# Altium PCB RGV_Control_1V21_unpoly.PcbDoc (part 5 of 5)
Units mm, origin at the board's own origin, x right, y up, seen from the top; angles counter-clockwise.
Board outline 221.11 x 150.42 mm, 4 copper layers (Top Layer, GND, Power, Bottom Layer), stack 1.56 mm thick; 530 components, 870 nets, 2373 pads, 590 vias.
Unrouted connection lines stored in the file: 760.
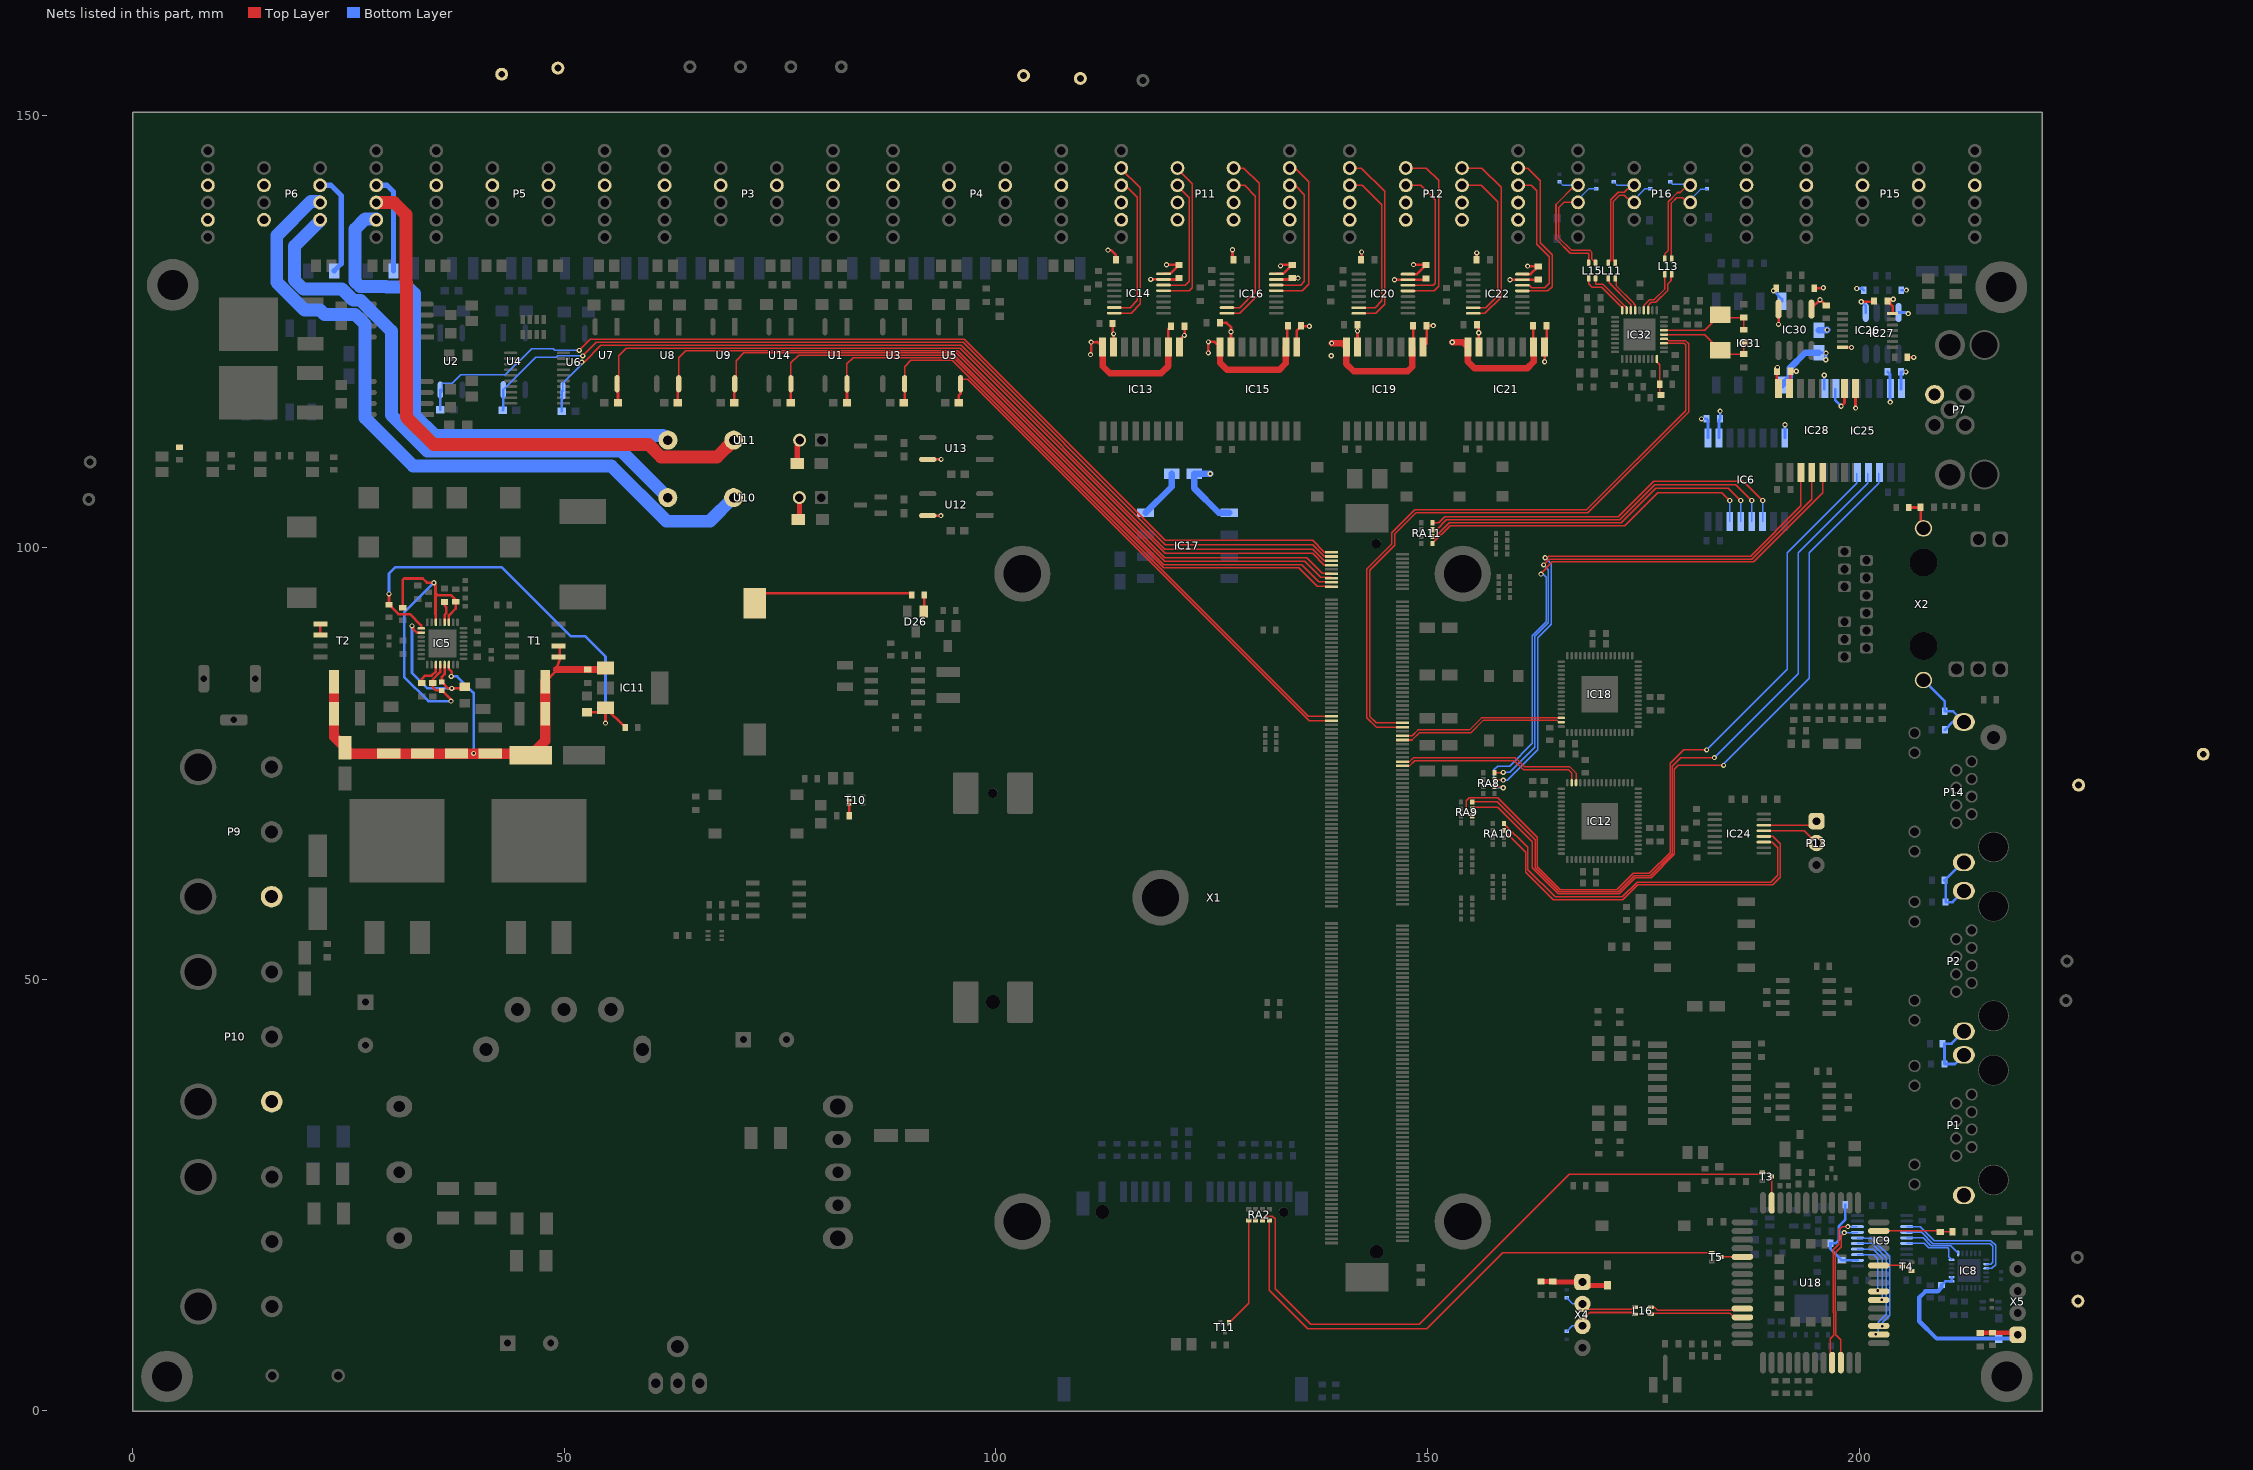
[diagram p7: the nets of this part, all layers, seen from the top]

## Via types
v1: diameter 0.6, hole 0.3, Top Layer to Bottom Layer, 533 vias
v2: diameter 0.5, hole 0.2, Top Layer to Bottom Layer, 32 vias
v3: diameter 0.6, hole 0.3, Top Layer to Bottom Layer, tented bottom, 25 vias

## Nets (pads, with @x,y where several pads share a name; then routed paths per layer and width w, separated by ;. In a path a pad name is that pad's centre, name@x,y a point inside that pad or via, vN(x,y) a via of type N, cw(c..) or ccw(c..) an arc to the next point about the centre after c; other vN are vias at no path point) (continued)
OUT_12V+: C59.2 C60.2 C61.2 C71.2 C72.2 C73.2 C81.2 C82.2 C83.2 D10.2 D11.2 FU1.2 IC5.22 IC11.1 L6.2 P3.3 P3.7 P3.11 P3.15 P4.3 P4.7 P4.11 P4.15 P5.3 P5.7 P5.11 P5.15 P6.3 P6.7 P6.9 P6.11 P6.13 P6.15 P7.2 P9.3 P10.3 P15.3 P15.7 P15.11 P15.15 P16.3 R49.1 R50.1 R81.1 T1.5 T1.6 T2.5 T2.6 TP3.1 U10.2 U11.2 U12.4 U13.4 | length 94.7
  Top Layer w0.3: T2.6@21.775,89.84 T2.5@21.775,91.11 ; IC5.22@36.655,86.425 36.655,85.918 37.008,85.566 v1@37.008,85.282 ; v1(36.926,85.065) 37.022,85.065 v1@37.033,85.054 ; C83.2@47.819,84.43 49.019,85.63 49.042,85.7 49.091,85.852 49.095,85.865 49.476,87.053 T1.6@49.476,88.57 ; U12.4@92.102,103.683 v1(93.625,103.683) ; U13.4@92.102,110.185 v1(93.65,110.185)
  Top Layer w0.6: D11.2@76.987,109.703 76.987,112.141 U11.2@77.267,112.42 ; D10.2@77.114,103.226 77.241,103.353 U10.2@77.241,105.766
  Top Layer w0.8: 49.091,85.852 49.104,85.865 C73.2@52.756,85.865 IC11.1@54.624,85.865
  Top Layer w1.2: C71.2@23.356,84.43 C72.2@23.356,80.747 23.356,78.078 L6.2@24.638,76.796 25.312,76.122 C81.2@29.682,76.122 C61.2@33.607,76.122 C60.2@37.531,76.122 C59.2@41.456,76.122 45.974,76.122 FU1.2@46.15,75.946 47.819,77.615 C82.2@47.819,80.747 C83.2@47.819,84.43 ; IC11.1@54.624,85.865 IC11.1@54.787,86.029
  Bottom Layer w0.3: v1(36.926,85.065) 37.617,85.065 39.522,83.16 v1(39.522,76.149)
  Bottom Layer w0.6: P6.7@21.75,141.929 23.021,141.929 24.2,140.75 24.2,132.85 R49.1@23.375,132.025 ; P6.3@28.25,141.929 29.496,141.929 30.25,141.175 R50.1@30.25,132.025
PMIC_EN: C76.2 IC5.9 IC11.3 R40.1 R84.2 TP1.1 | length 53.4
  Top Layer w0.3: v1(29.718,94.615) R40.1@29.718,93.359 30.799,92.278 32.156,92.278 33.455,90.979 IC5.9@33.455,90.625 ; C76.2@52.654,80.889 54.248,80.889 IC11.3@54.787,81.429 ; v1(54.787,79.655) IC11.3@54.787,81.429 ; R84.2@57.085,79.144 54.801,81.429 IC11.3@54.787,81.429
  Bottom Layer w0.3: v1(29.718,94.615) 29.718,96.952 30.48,97.714 42.748,97.714 50.749,89.713 52.426,89.713 54.787,87.351 v1(54.787,79.655)
PSM_EINT: T4.3 U18.37 | length 2.8
  Top Layer w0.15: U18.37@202.235,16.85 204.841,16.85 T4.3@204.969,16.721
PSM_EINT_2: RA2.7 T4.1
PWRKEY: T5.3 U18.5 | length 2.5
  Top Layer w0.15: T5.3@183.955,17.823 183.982,17.85 U18.5@186.435,17.85
PWRKEY_1: RA2.5 T5.1 | length 64.8
  Top Layer w0.15: RA2.5@131.675,22.05 131.675,13.975 136.125,9.525 149.873,9.525 158.671,18.323 T5.1@182.905,18.323
RDX_AUX: IC9.8 U18.24 | length 18.2
  Top Layer w0.15: U18.24@196.835,5.6 196.835,6.46 196.6,6.695 196.6,8.39 196.992,8.783 196.992,11.391 196.96,11.424 196.96,18.66 197.625,19.325 197.625,21 197.975,21.35 v1(198.65,21.35)
  Bottom Layer w0.15: v1(198.65,21.35) 198.657,21.343 IC9.8@199.766,21.343
RESET: T3.3 U18.53 | length 3
  Top Layer w0.15: T3.3@189.8,27.125 189.835,27.09 U18.53@189.835,24.1
RESET_MOCI: R87.1 T10.5 T10.6 | length 1.8
  Top Layer w0.3: R87.1@83.004,68.933 T10.6@83.005,70.237 T10.6@83.005,70.237 T10.5@83.005,70.737
RESET_NB_3: RA2.6 T3.1 | length 75.4
  Top Layer w0.15: RA2.6@130.875,22.05 130.875,22.3 131.125,22.55 132.019,22.55 132.319,22.25 132.319,14.181 136.45,10.05 149,10.05 166.382,27.432 188.557,27.432 T3.1@188.75,27.625
RF_ANT: C31.1 R59.1 U18.41 | length 8.6
  Top Layer w0.162: U18.41@202.235,20.85 209.249,20.85 C31.1@209.349,20.75 R59.1@210.775,20.75
RL11: P6.5 U10.4 | length 67.5
  Bottom Layer w1.5: P6.5@21.784,137.891 18.775,134.882 18.775,130.948 19.823,129.9 24.3,129.9 25.582,128.618 26.432,128.618 30,125.05 30,115.325 34.15,111.175 56.592,111.175 U10.4@62.001,105.766
RL12: P6.1 U11.4 | length 61.1
  Bottom Layer w1.5: P6.1@28.25,138.05 26.975,138.05 25.8,136.875 25.8,130.775 26.357,130.218 29.38,130.218 29.448,130.15 31.925,130.15 32.675,129.4 32.675,115.325 35.025,112.975 61.472,112.975 U11.4@62.027,112.42
RL21: P6.6 U10.3 | length 83.9
  Bottom Layer w1.5: P6.6@21.679,139.929 21.533,140.075 20.7,140.075 16.725,136.1 16.725,130.7 19.95,127.475 21.75,127.475 22.233,126.992 25.795,126.992 26.95,125.837 26.95,115 32.525,109.425 55.475,109.425 61.875,103.025 66.881,103.025 U10.3@69.621,105.766
RL22: P6.2 U11.3 | length 68.1
  Top Layer w1.5: P6.2@28.25,139.929 30.296,139.929 31.675,138.55 31.675,130.738 31.725,130.688 31.725,115.072 34.872,111.925 59.764,111.925 61.219,110.47 67.697,110.47 U11.3@69.647,112.42
RS232_5V_ISO: C89.2 C99.2 C102.1 C106.2 C110.1 C112.2 C122.2 C125.1 C129.2 IC13.10 IC13.16 IC14.16 IC15.10 IC15.16 IC16.16 IC17.5 IC19.10 IC19.16 IC20.16 IC21.10 IC21.16 IC22.16 P11.1 P11.5 P11.9 P11.13 P12.1 P12.5 P12.9 P12.13 TP1101.1 | length 92.4
  Top Layer w0.3: v1(110.95,122.325) 111.05,122.425 111.025,122.45 v1(111.025,123.775) 111.723,123.775 111.748,123.8 IC13.16@112.36,123.189 ; IC14.16@119.408,131.674 120.149,131.674 C89.2@121.2,132.725 v1(119.75,132.725) ; IC13.10@119.98,123.189 119.98,125.305 C99.2@120.3,125.625 ; v1@124.425,122.524 124.6,122.699 v1(124.6,123.8) 125.337,123.8 IC15.16@125.949,123.189 ; IC16.16@132.455,131.673 133.248,131.673 C102.1@134.3,132.725 133.025,132.725 132.9,132.6 v1(132.95,132.6) ; IC15.10@133.569,123.189 133.75,123.37 C106.2@133.75,125.419 ; IC20.16@147.715,131.648 148.755,131.648 C112.2@149.809,132.703 149.762,132.75 v1(148.35,132.75) ; IC19.10@148.199,123.189 148.323,123.313 C122.2@148.323,125.679 ; IC22.16@160.965,131.648 161.912,131.648 C125.1@162.814,132.55 162.789,132.575 v1(161.571,132.575) ; C129.2@162.217,125.679 162.217,123.242 IC21.10@162.271,123.189
  Top Layer w0.75: IC13.16@112.36,123.189 112.36,120.965 113.175,120.15 119.125,120.15 119.98,121.005 IC13.10@119.98,123.189 ; IC15.16@125.949,123.189 125.949,121.376 126.775,120.55 132.804,120.55 133.569,121.315 IC15.10@133.569,123.189 ; v1(138.875,123.65) 140.118,123.65 IC19.16@140.579,123.189 140.579,121.246 141.429,120.396 147.671,120.396 148.199,120.924 IC19.10@148.199,123.189 ; v1(152.85,123.76) 154.079,123.76 IC21.16@154.651,123.189 154.651,121.524 155.45,120.725 161.5,120.725 162.271,121.496 IC21.10@162.271,123.189
  Bottom Layer w0.75: v1(124.825,108.525) 124.823,108.527 C110.1@122.947,108.527 122.947,106.878 125.815,104.01 IC17.5@127.025,104.01
  other v1: 138.825,122.2 124.6,122.524
RS232_GND_ISO: C89.1 C99.1 C100.1 C101.1 C102.2 C106.1 C107.1 C108.1 C110.2 C112.1 C122.1 C123.1 C124.1 C125.2 C129.1 C130.1 C131.1 IC13.9 IC13.15 IC14.15 IC15.9 IC15.15 IC16.15 IC17.4 IC19.9 IC19.15 IC20.15 IC21.9 IC21.15 IC22.15 P11.2 P11.6 P11.10 P11.14 P12.2 P12.6 P12.10 P12.14 TP1102.1 | length 49.3
  Top Layer w0.3: v1(112.975,134.425) 113.325,134.425 113.9,133.85 C100.1@113.9,133.2 ; C101.1@113.525,125.925 113.525,124.825 v1(113.63,124.72) IC13.15@113.63,123.189 ; v1(117.925,131.025) 119.406,131.025 IC14.15@119.408,131.024 121.049,131.024 C89.1@121.2,131.175 ; IC13.9@121.25,123.189 121.25,124.025 121.85,124.625 C99.1@121.85,125.625 ; C108.1@125.943,126.009 126.716,126.009 127.219,125.506 v1(127.219,124.969) IC15.15@127.219,123.189 ; C107.1@127.4,133.425 v1(127.4,134.475) ; IC16.15@132.455,131.023 134.148,131.023 C102.2@134.3,131.175 v1(134.98,131.175) ; IC15.9@134.839,123.189 134.839,125.089 C106.1@135.35,125.6 ; C106.1@135.475,125.6 v1(136.3,125.6) ; IC19.15@141.849,123.189 141.872,123.212 v1(141.872,125.053) C124.1@141.872,125.781 ; C123.1@142.075,133.225 142.35,133.5 v1(142.35,134.2) ; v1(146.15,130.998) IC20.15@147.715,130.998 149.655,130.998 C112.1@149.809,131.153 ; IC19.9@149.469,123.189 149.873,123.593 C122.1@149.873,125.679 v1(150.65,125.679) ; C130.1@155.675,133.125 C130.1@155.675,133.325 v1(155.675,134.1) ; C131.1@155.69,125.781 155.921,125.55 v1(155.921,124.85) IC21.15@155.921,123.189 ; v1(159.525,131) 160.963,131 IC22.15@160.965,130.998 162.812,130.998 C125.2@162.814,131 ; v1(163.541,121.504) IC21.9@163.541,123.189 163.767,123.415 C129.1@163.767,125.679
  Bottom Layer w0.75: IC17.4@117.325,104.01 120.347,107.032 C110.2@120.347,108.527
  other v1: 121.825,124.55
RS232_Rx_1: IC14.13 P11.12 | length 18.1
  Top Layer w0.15: IC14.13@119.408,129.724 122.399,129.724 122.725,130.05 122.725,142.118 P11.12@120.914,143.929
RS232_Rx_2: IC14.8 P11.16 | length 20.2
  Top Layer w0.15: IC14.8@113.708,127.124 115.649,127.124 116.725,128.2 116.725,141.618 P11.16@114.414,143.929
RS232_Rx_3: IC16.13 P11.4 | length 18.9
  Top Layer w0.15: IC16.13@132.455,129.723 135.498,129.723 136.225,130.45 136.225,142.35 134.646,143.929 P11.4@133.914,143.929
RS232_Rx_4: IC16.8 P11.8 | length 21.2
  Top Layer w0.15: IC16.8@126.755,127.123 128.248,127.123 130.475,129.35 130.475,142.159 128.704,143.929 P11.8@127.414,143.929
RS232_Rx_5: IC20.13 P12.12 | length 20.7
  Top Layer w0.15: P12.12@147.249,143.929 149.846,143.929 151.275,142.5 151.275,130.225 150.748,129.698 IC20.13@147.715,129.698
RS232_Rx_6: IC20.8 P12.16 | length 21.9
  Top Layer w0.15: P12.16@140.749,143.929 142.321,143.929 145.025,141.225 145.025,128.125 143.998,127.098 IC20.8@142.015,127.098
RS232_Rx_7: IC22.13 P12.4 | length 19.9
  Top Layer w0.15: P12.4@160.249,143.929 161.571,143.929 163.05,142.45 163.05,135.25 164.425,133.875 164.425,130.2 163.923,129.698 IC22.13@160.965,129.698
RS232_Rx_8: IC22.8 P12.8 | length 22.4
  Top Layer w0.15: P12.8@153.749,143.929 156.271,143.929 158.5,141.7 158.5,128.975 156.623,127.098 IC22.8@155.265,127.098
RS232_Rx_DEBUG: IC24.13 P13.2 | length 6.7
  Top Layer w0.15: IC24.13@188.93,67.178 193.604,67.178 P13.2@195.021,65.761
RS232_Tx_1: IC14.14 P11.11 | length 14.9
  Top Layer w0.15: IC14.14@119.408,130.374 121.924,130.374 122.375,130.825 122.375,140.468 P11.11@120.914,141.929
RS232_Tx_2: IC14.7 P11.15 | length 17.5
  Top Layer w0.15: IC14.7@113.708,127.774 115.549,127.774 116.375,128.6 116.375,140.52 114.965,141.929 P11.15@114.414,141.929
RS232_Tx_3: IC16.14 P11.3 | length 15.7
  Top Layer w0.15: IC16.14@132.455,130.373 135.273,130.373 135.725,130.825 135.725,140.85 134.646,141.929 P11.3@133.914,141.929
RS232_Tx_4: IC16.7 P11.7 | length 18.3
  Top Layer w0.15: IC16.7@126.755,127.773 128.223,127.773 130.05,129.6 130.05,140.675 128.796,141.929 P11.7@127.414,141.929
RS232_Tx_5: IC20.14 P12.11 | length 17.2
  Top Layer w0.15: P12.11@147.249,141.929 149.196,141.929 150.85,140.275 150.85,130.578 150.62,130.348 IC20.14@147.715,130.348
RS232_Tx_6: IC20.7 P12.15 | length 19
  Top Layer w0.15: P12.15@140.749,141.929 142.446,141.929 144.7,139.675 144.7,128.55 143.898,127.748 IC20.7@142.015,127.748
RS232_Tx_7: IC22.14 P12.3 | length 17.4
  Top Layer w0.15: P12.3@160.249,141.929 161.971,141.929 162.625,141.275 162.625,135.125 164.1,133.65 164.1,130.6 163.55,130.05 162.073,130.05 161.775,130.348 IC22.14@160.965,130.348
RS232_Tx_8: IC22.7 P12.7 | length 19.5
  Top Layer w0.15: P12.7@153.749,141.929 156.196,141.929 158.125,140 158.125,129.125 156.748,127.748 IC22.7@155.265,127.748
RS232_Tx_DEBUG: IC24.14 P13.1 | length 6.3
  Top Layer w0.15: IC24.14@188.93,67.828 P13.1@194.548,67.828
  Top Layer w0.3: P13.1@194.548,67.828 P13.1@195.021,68.301
RS485_3.3V_ISO: C23.2 C143.2 C145.1 C147.2 C168.2 IC6.1 IC25.10 IC25.16 IC26.14 IC27.8 IC28.10 IC28.16 IC30.8 IC31.5 R116.1 R120.1 TP701.1 | length 27.4
  Top Layer w0.3: C147.2@190.436,120.396 190.436,118.614 190.65,118.4 190.642,118.392 IC28.16@190.642,118.388 ; v1(190.625,125.825) 190.627,125.827 IC30.8@190.627,127.597 ; R120.1@194.781,130.023 195.79,130.023 v1(195.825,130.057) ; v1(197.875,116.35) 198.262,116.737 IC28.10@198.262,118.388 ; IC26.14@203.839,127.07 203.839,127.936 C168.2@203.25,128.525 203.7,128.525 v1(203.9,128.725) ; v1@205.645,127.07 v1(205.65,127.075)
  Bottom Layer w0.3: v1(181.7,114.875) 181.709,114.884 C23.2@182.308,114.884 182.458,114.734 IC6.1@182.458,112.673 ; C145.1@195.301,122.525 196.1,122.525 v1(196.125,122.5) 196.125,121.75 v1(196.1,121.725) ; IC25.10@197.18,118.288 197.18,117.045 v1(197.875,116.35) ; v1(199.675,129.975) 200.299,129.975 R116.1@200.48,129.794 ; IC27.8@204.535,127.2 205.525,127.2 v1(205.65,127.075) ; IC25.16@204.8,118.288 204.8,120.307 C143.2@204.813,120.32 205.37,120.32 v1(205.375,120.325)
  Bottom Layer w0.75: IC31.5@191.033,118.797 191.908,119.672 191.908,120.067 191.9,120.075 191.9,120.717 193.708,122.525 C145.1@195.301,122.525
  other v1: 190.5,120.84
RS485_GND_ISO: C23.1 C143.1 C145.2 C147.1 C168.1 IC6.2 IC6.8 IC25.9 IC25.15 IC26.7 IC27.5 IC28.9 IC28.15 IC30.5 IC31.4 R113.2 R114.2 R117.2 R118.2 TP702.1 | length 25.9
  Top Layer w0.3: v1(190.025,129.723) 190.324,130.023 R118.2@190.373,130.023 ; IC28.15@191.912,118.388 191.986,118.462 C147.1@191.986,120.396 v1(192.675,120.396) ; IC30.5@194.437,127.597 194.437,127.702 195.4,128.665 v1(195.425,128.665) 195.503,128.665 R113.2@196.164,128.004 ; IC26.7@198.039,123.17 199.055,123.17 v1(199.075,123.15) ; IC28.9@199.532,118.388 199.532,116.145 v1(199.552,116.125) ; v1(200.2,128.45) 201.625,128.45 C168.1@201.7,128.525 ; R117.2@205.55,122 v1(206.275,122)
  Bottom Layer w0.3: IC6.2@183.728,112.673 183.728,114.754 C23.1@183.858,114.884 v1(183.858,115.775) ; v1(190.025,129.723) 191.033,128.715 IC31.4@191.033,128.497 ; IC6.8@191.348,112.673 191.375,112.7 v1(191.375,114.2) ; IC25.9@195.91,118.288 195.91,119.91 v1(195.925,119.925) ; v1(200.2,128.45) 200.725,127.925 IC27.5@200.725,127.2 ; C143.1@203.263,120.32 203.53,120.053 203.53,116.845 v1(203.55,116.825) ; R114.2@204.828,129.794 v1(205.425,129.794)
  Bottom Layer w0.75: C145.2@195.301,125.125 196.2,125.125 v1(196.25,125.175)
RUN: RA2.8 T11.1 | length 12.8
  Top Layer w0.15: T11.1@127.017,10.214 129.275,12.472 RA2.8@129.275,22.05
RXD: IC9.4 U18.33 | length 8.2
  Bottom Layer w0.15: IC9.4@199.766,18.743 201.607,18.743 202.65,17.7 202.65,12.95 v1(202.575,12.875)
RXD_DBG: IC9.6 U18.30 | length 13.1
  Bottom Layer w0.15: IC9.6@199.766,20.043 199.794,20.015 201.373,20.015 203.5,17.888 203.5,11.1 202.625,10.225 v1(202.625,9.8)
SHIELD: C165.2 C169.2 C170.2 C171.2 P1.S1 P1.S2 P2.S1 P2.S2 P14.S1 P14.S2 R134.2 R141.2 R142.2 R143.2 X2.S1 X2.S2 | length 30.1
  Top Layer w0.3: R134.2@205.703,104.623 207.061,104.623 C165.2@207.073,104.635 207.073,102.544 X2.S1@207.407,102.21
  Bottom Layer w0.3: X2.S2@207.407,84.633 209.887,82.153 R141.2@209.887,81.025 210.846,81.025 P14.S1@212.09,79.781 210.781,79.781 C169.2@209.875,78.875 ; P1.S1@212.09,41.224 211.049,40.183 C170.2@209.842,40.183 209.842,42.534 210.656,42.534 P2.S2@212.09,43.967 ; P2.S1@212.09,60.223 210.795,58.928 C171.2@209.969,58.928 209.969,61.315 R143.2@209.843,61.442 211.927,63.525 P14.S2@212.09,63.525
TDX_AUX: IC9.7 U18.25 | length 17.3
  Top Layer w0.15: U18.25@197.835,5.6 197.835,8.262 197.242,8.854 197.242,11.495 197.21,11.527 197.21,18.335 197.875,19 197.875,20.3 v1(198.225,20.65)
  Bottom Layer w0.15: v1(198.225,20.65) 199.723,20.65 IC9.7@199.766,20.693
TXD: IC9.3 U18.34 | length 6.2
  Bottom Layer w0.15: IC9.3@199.766,18.093 201.673,18.093 202.135,17.631 202.135,13.96 v1(202.125,13.95)
TXD_DBG: IC9.5 U18.29 | length 13.4
  Bottom Layer w0.15: IC9.5@199.766,19.393 201.432,19.393 203.075,17.75 203.075,11.225 202.15,10.3 202.15,9.125 v1(201.9,8.875)
UART0_RX_BC20: IC8.12 IC9.16 | length 6.5
  Bottom Layer w0.15: IC9.16@205.466,19.393 207.507,19.393 208.025,18.875 210.2,18.875 210.35,18.725 210.35,17.83 IC8.12@210.674,17.506
UART0_TX_BC20: IC8.13 IC9.15 | length 6.7
  Bottom Layer w0.15: IC9.15@205.466,20.043 207.357,20.043 208.275,19.125 210.555,19.125 IC8.13@211.424,18.256
UART1_RTS: IC28.3 RA8.6 | length 65.9
  Top Layer w0.15: RA8.6@157.725,73.1 158.706,73.1 v1(158.75,73.056) ; v1(163.6,98.8) 163.6,98.575 164.025,99 187.4,99 193.202,104.802 IC28.3@193.202,108.688
  Bottom Layer w0.15: v1(158.75,73.056) 159.206,73.056 162.725,76.575 162.725,89.529 164.3,91.104 164.3,98.1 v1(163.6,98.8)
UART1_RX_BC20: IC8.20 IC9.14 | length 13.3
  Bottom Layer w0.15: IC9.14@205.466,20.693 207.182,20.693 208.5,19.375 215.15,19.375 215.425,19.1 215.425,17.225 215.206,17.006 IC8.20@214.674,17.006
UART1_RXD: IC28.5 RA8.7 | length 69.6
  Top Layer w0.15: RA8.7@157.725,72.3 158.611,72.3 v1(158.75,72.161) ; v1(163.122,96.9) 163.122,97 164.432,98.311 187.736,98.311 195.742,106.317 IC28.5@195.742,108.688
  Bottom Layer w0.15: v1(158.75,72.161) 158.139,72.161 157.675,72.625 157.675,74.225 158.125,74.675 159.5,74.675 162.125,77.3 162.125,89.779 163.732,91.386 163.732,96.515 163.122,97.125 v1(163.122,96.9)
UART1_TX_BC20: IC8.21 IC9.13 | length 14.7
  Bottom Layer w0.15: IC9.13@205.466,21.343 207.009,21.343 208.627,19.725 215.2,19.725 215.75,19.175 215.75,16.925 215.331,16.506 IC8.21@214.674,16.506
UART1_TXD: IC28.4 RA8.5 | length 65.2
  Top Layer w0.15: RA8.5@157.725,73.9 158.7,73.9 v1(158.75,73.95) ; v1(163.425,97.975) 163.447,97.975 164.097,98.625 187.5,98.625 194.472,105.597 IC28.4@194.472,108.688
  Bottom Layer w0.15: v1(158.75,73.95) 159.475,73.95 162.4,76.875 162.4,89.7 163.982,91.282 163.982,97.418 v1(163.425,97.975)
UART2_RTS: IC25.3 RA9.6 | length 88.4
  Top Layer w0.15: RA9.6@155.148,69.723 155.348,69.923 158.102,69.923 162.1,65.925 162.1,62.875 165.1,59.875 172.154,59.875 174.029,61.75 175.882,61.75 178.575,64.443 178.575,74.296 179.033,74.754 v1(184.259,74.754)
  Bottom Layer w0.15: v1(184.259,74.754) 184.259,74.917 194.19,84.848 194.19,99.363 202.24,107.413 IC25.3@202.24,108.588
UART2_RXD: IC25.5 RA9.7 | length 88.8
  Top Layer w0.15: RA9.7@155.321,68.75 RA9.7@155.148,68.923 154.758,68.923 154.475,69.206 154.475,70.648 154.825,70.998 158.127,70.998 162.7,66.425 162.7,63.034 165.359,60.375 171.9,60.375 173.775,62.25 175.675,62.25 178.075,64.65 178.075,74.975 179.65,76.55 v1(182.3,76.55)
  Bottom Layer w0.15: v1(182.3,76.55) 191.65,85.9 191.65,99.363 199.7,107.413 IC25.5@199.7,108.588
UART2_TXD: IC25.4 RA9.5 | length 86.9
  Top Layer w0.15: RA9.5@155.148,70.523 158.052,70.523 162.425,66.15 162.425,62.925 165.225,60.125 172.05,60.125 173.925,62 175.779,62 178.325,64.546 178.325,74.65 179.327,75.652 v1(183.198,75.652)
  Bottom Layer w0.15: v1(183.198,75.652) 192.92,85.374 192.92,99.363 200.97,107.413 IC25.4@200.97,108.588
UART3_RXD: IC24.12 RA10.6 | length 43.8
  Top Layer w0.15: RA10.6@158.831,67.221 161.35,64.702 161.35,62.4 164.525,59.225 172.6,59.225 174.321,60.946 189.946,60.946 190.8,61.8 190.8,65.675 189.947,66.528 IC24.12@188.93,66.528
UART3_TXD: IC24.11 RA10.5 | length 42.9
  Top Layer w0.15: RA10.5@158.831,68.021 161.6,65.252 161.6,62.688 164.763,59.525 172.546,59.525 174.246,61.225 189.75,61.225 190.55,62.025 190.55,65.225 189.897,65.878 IC24.11@188.93,65.878
USB_BC20_N: L16.4 U18.11 | length 10.8
  Top Layer w0.18: L16.4@175.804,12.008 176.269,12.008 176.602,11.675 186.26,11.675 U18.11@186.435,11.85
USB_BC20_P: L16.3 U18.12 | length 10.6
  Top Layer w0.18: L16.3@176.025,11.33 184.995,11.33 185.475,10.85 U18.12@186.435,10.85
USB_NB_CON_N: D38.2 L16.1 X4.2 | length 8.5
  Top Layer w0.18: X4.2@167.919,12.395 168.515,11.8 173.797,11.8 L16.1@174.004,12.008
  Bottom Layer w0.18: D38.2@166.091,13.114 166.809,12.395 X4.2@167.919,12.395
USB_NB_CON_P: D39.2 L16.2 X4.3 | length 9.3
  Top Layer w0.18: X4.3@167.919,9.855 167.919,10.543 168.776,11.4 173.812,11.4 L16.2@174.004,11.208
  Bottom Layer w0.18: D39.2@166.091,9.213 166.733,9.855 X4.3@167.919,9.855
USBH2_D_N: IC32.30 X1.82 | length 77.3
  Top Layer w0.18: X1.82@147.062,79.196 144.041,79.196 142.955,80.282 142.955,97.493 145.85,100.388 145.85,101.7 148.5,104.35 168.4,104.35 179.875,115.825 179.875,123.45 179.689,123.636 IC32.30@177.35,123.636
USBH2_D_P: IC32.31 X1.80 | length 77.3
  Top Layer w0.18: X1.80@147.062,79.696 144.029,79.696 143.3,80.425 143.3,97.35 146.195,100.245 146.195,101.557 148.643,104.005 168.543,104.005 180.22,115.682 180.22,123.593 179.863,123.95 177.842,123.95 177.656,124.136 IC32.31@177.35,124.136
USBH2B_D_CON_N: D30.2 L13.3 P16.6 | length 11.8
  Top Layer w0.18: L13.3@178.225,133.35 178.225,139.875 178.85,140.5 179.534,140.5 P16.6@180.085,139.948
  Bottom Layer w0.18: P16.6@180.085,139.948 181.587,141.45 D30.2@182.35,141.45
USBH2B_D_CON_P: D29.2 L13.4 P16.7 | length 12
  Top Layer w0.18: L13.4@177.45,133.35 L13.4@177.45,133.425 177.45,133.975 177.85,134.375 177.85,140.025 178.919,141.094 179.231,141.094 P16.7@180.085,141.948
  Bottom Layer w0.18: D29.2@178.075,142.316 178.366,142.025 180.009,142.025 P16.7@180.085,141.948
USBH2B_D_N: IC32.3 L13.2 | length 5.6
  Top Layer w0.18: IC32.3@175.525,127.461 175.525,127.779 175.527,127.781 175.527,128.017 175.884,128.375 176.407,128.375 177.816,129.784 177.816,130.514 178.175,130.873 L13.2@178.175,131.625
USBH2B_D_P: IC32.4 L13.1 | length 5.4
  Top Layer w0.18: IC32.4@175.025,127.461 175.025,128.003 175.687,128.665 176.209,128.665 177.471,129.927 L13.1@177.471,131.55
USBH2C_D_CON_N: D28.2 L11.3 P16.10 | length 12.8
  Top Layer w0.18: L11.3@171.723,132.955 171.5,133.178 171.5,140.075 172.2,140.775 172.759,140.775 P16.10@173.585,139.948
  Bottom Layer w0.18: P16.10@173.585,139.948 175.187,141.55 D28.2@175.775,141.55
USBH2C_D_CON_P: D27.2 L11.4 P16.11 | length 12.7
  Top Layer w0.18: L11.4@170.923,132.955 171.2,133.232 171.2,140.263 172.057,141.12 172.757,141.12 P16.11@173.585,141.948
  Bottom Layer w0.18: D27.2@171.552,142.316 171.919,141.948 P16.11@173.585,141.948
USBH2C_D_N: IC32.6 L11.2 | length 4.6
  Top Layer w0.18: L11.2@171.723,131.155 171.813,131.065 171.813,130.325 173.85,128.288 173.85,128.225 174.025,128.05 IC32.6@174.025,127.461
USBH2C_D_P: IC32.7 L11.1 | length 4.8
  Top Layer w0.18: L11.1@170.923,131.155 171.013,131.065 171.013,130.637 173.525,128.125 IC32.7@173.525,127.461
USBH2D_D_CON_N: D32.2 L15.3 P16.14 | length 14.7
  Top Layer w0.18: P16.14@167.085,139.948 165.748,139.948 165.2,139.4 165.2,135.838 166.643,134.395 168.768,134.395 168.97,134.193 168.97,133.422 L15.3@169.437,132.955
  Bottom Layer w0.18: P16.14@167.085,139.948 168.687,141.55 D32.2@169.52,141.55
USBH2D_D_CON_P: D31.2 L15.4 P16.15 | length 14.7
  Top Layer w0.18: P16.15@167.085,141.948 164.855,139.718 164.855,135.695 166.5,134.05 168.625,134.05 168.625,133.432 168.637,133.42 L15.4@168.637,132.955
  Bottom Layer w0.18: D31.2@165.252,142.316 165.62,141.948 P16.15@167.085,141.948
USBH2D_D_N: IC32.8 L15.2 | length 5.7
  Top Layer w0.18: L15.2@169.437,131.155 169.437,130.475 170.3,130.475 172.649,128.126 172.666,128.126 172.865,127.927 172.865,127.91 173.025,127.75 IC32.8@173.025,127.461
USBH2D_D_P: IC32.9 L15.1 | length 6
  Top Layer w0.18: L15.1@168.637,131.155 168.637,130.53 169.037,130.13 170.157,130.13 172.525,127.762 IC32.9@172.525,127.461
USBH3_D_N: IC18.63 X1.88 | length 19.4
  Top Layer w0.18: X1.88@147.062,77.696 148.195,77.696 149.016,78.517 154.971,78.517 156.413,79.959 165.018,79.959 165.22,79.757 IC18.63@165.476,79.757
USBH3_D_P: IC18.62 X1.86 | length 19.3
  Top Layer w0.18: X1.86@147.062,78.196 148.207,78.196 148.873,78.862 154.828,78.862 156.223,80.257 IC18.62@165.476,80.257
USBH4_D_N: IC12.63 X1.100 | length 21.6
  Top Layer w0.18: X1.100@147.062,74.696 147.902,74.696 148.502,75.296 160.035,75.296 161.061,74.27 166.288,74.27 166.676,73.882 IC12.63@166.676,72.751
USBH4_D_P: IC12.62 X1.98 | length 22.2
  Top Layer w0.18: X1.98@147.062,75.196 147.902,75.196 148.347,75.641 160.178,75.641 161.245,74.574 166.472,74.574 167.176,73.87 IC12.62@167.176,72.751
USBH_EN: IC32.27 R121.2 R122.2 | length 4.4
  Top Layer w0.15: IC32.27@176.525,121.811 176.525,121.475 176.85,121.15 176.85,118.9 R121.2@176.875,118.875 176.875,117.779 R122.2@177.013,117.641
V5FILT: C67.2 IC5.3 IC5.6 IC5.20 R34.1 R35.2 R42.2 | length 42.2
  Top Layer w0.3: R42.2@31.333,93.029 31.302,93.06 31.302,96.199 31.496,96.393 33.63,96.393 34.112,95.91 v1@34.8,95.91 ; v1@34.776,95.934 v1@34.8,95.91 ; v1(34.925,95.91) v1@34.8,95.91 ; IC5.6@35.155,91.325 35.155,92.195 35.105,92.245 35.105,94.717 ; IC5.20@35.655,86.425 35.655,85.543 34.788,84.675 C67.2@34.788,84.303 34.788,83.83 35.176,83.442 R34.1@35.839,83.442 36.906,82.375 v1(36.906,82.194) ; IC5.3@36.655,91.325 36.655,92.11 37.44,92.895 R35.2@37.44,93.687 37.44,93.944 36.921,94.463 35.359,94.463 35.105,94.717 ; v1@34.8,95.91 34.862,95.848 35.105,95.605 35.105,94.717
  Bottom Layer w0.3: v1(34.925,95.91) 31.471,92.456 31.471,85.014 34.29,82.194 v1(36.906,82.194)
VBUS_NB: C43.1 C46.1 D40.1 IC8.7 IC8.8 R66.1 X5.1 | length 24.7
  Top Layer w0.5: C43.1@213.995,9.03 214.006,9.041 R66.1@215.392,9.041 218.086,9.041 X5.1@218.313,8.814
  Bottom Layer w0.3: C46.1@209.499,14.567 209.938,15.006 IC8.7@210.674,15.006 IC8.8@210.674,15.506 ; X5.1@217.895,8.396 X5.1@218.313,8.814
  Bottom Layer w0.5: C46.1@209.499,14.567 209.499,14.288 209.061,13.85 207.625,13.85 206.925,13.15 206.925,10.4 208.929,8.396 D40.1@216.129,8.396 X5.1@217.895,8.396
VCC_1V8: C44.1 IC9.2 R71.1 R74.2 TP10.1 | length 9.8
  Bottom Layer w0.3: R71.1@198.36,23.866 198.36,22.15 197.625,21.415 197.625,19.825 197.206,19.406 R74.2@196.645,19.406 196.645,18.76 C44.1@197.942,17.463 197.962,17.443 IC9.2@199.766,17.443
VCC_BATT: BAT1.1 R97.1 | length 18.7
  Top Layer w0.3: BAT1.1@72.06,93.549 73.177,94.666 90.055,94.666 R97.1@90.232,94.488
VCC_BATT_R: D26.1 R97.2 | length 1.9
  Top Layer w0.3: D26.1@91.653,92.565 91.682,92.594 R97.2@91.682,94.488
VREF2: C74.2 IC5.4 | length 2.5
  Top Layer w0.3: IC5.4@36.155,91.325 36.155,92.176 36.373,92.394 36.373,93.029 36.155,93.246 C74.2@36.155,93.688
VREG3: C80.2 IC5.19 | length 3.3
  Top Layer w0.3: C80.2@33.518,84.303 33.518,84.787 33.878,85.147 34.652,85.147 35.155,85.65 IC5.19@35.155,86.425
VREG5: C65.2 IC5.10 IC5.21 R34.2 | length 17.5
  Top Layer w0.3: v1(32.385,90.907) 32.385,90.829 32.528,90.686 32.528,90.533 32.937,90.125 IC5.10@33.455,90.125 ; R34.2@35.839,84.402 36.573,83.668 v1(36.982,83.668) 38.318,83.668 C65.2@38.506,83.856 ; R34.2@35.852,84.414 35.839,84.426 35.839,85.014 36.155,85.33 IC5.21@36.155,86.425
  Bottom Layer w0.3: v1(32.385,90.907) 32.385,85.471 34.188,83.668 v1(36.982,83.668)
VUSB: C38.1 C39.1 D37.1 X4.1 | length 7.9
  Top Layer w0.6: C38.1@163.122,14.999 C39.1@164.465,14.999 164.529,14.935 X4.1@167.919,14.935 168.312,14.543 D37.1@170.815,14.543
XTAL1: C157.2 IC32.33 OSC2.2 R128.2 | length 11.5
  Top Layer w0.15: IC32.33@177.35,125.136 182.065,125.136 OSC2.2@183.871,126.942 184.206,126.606 C157.2@186.588,126.606 186.601,126.594 R128.2@186.601,125.21
XTAL2: C160.2 IC32.32 OSC2.1 R128.1 | length 11.5
  Top Layer w0.15: IC32.32@177.35,124.636 182.076,124.636 OSC2.1@183.871,122.842 184.322,122.39 C160.2@186.588,122.39 186.601,122.403 R128.1@186.601,123.76
XY01: R18.1 U2.4 X1.1 | length 119.1
  Top Layer w0.15: v1(51.753,122.806) 53.022,124.075 96.35,124.075 119.625,100.8 136.683,100.8 138.037,99.446 X1.1@138.862,99.446
  Bottom Layer w0.15: U2.4@35.662,118.225 35.9,117.987 U2.4@35.9,118.997 ; U2.4@35.9,118.997 37.047,118.997 38.025,119.975 43.205,119.975 46.23,123 48.747,123 48.941,122.806 v1(51.753,122.806)
  Bottom Layer w0.3: R18.1@35.662,115.937 U2.4@35.662,118.225
XY02: R22.1 U4.4 X1.3 | length 110.8
  Top Layer w0.15: v1(52.15,122.175) 53.707,123.732 96.193,123.732 119.625,100.3 136.683,100.3 138.037,98.946 X1.3@138.862,98.946
  Bottom Layer w0.15: U4.4@42.953,118.25 46.728,122.025 49.097,122.025 49.247,122.175 v1(52.15,122.175)
  Bottom Layer w0.3: R22.1@42.902,115.886 42.953,115.937 U4.4@42.953,118.25
XY03: R26.1 U6.4 X1.5 | length 104.6
  Top Layer w0.15: v1(52.053,121.456) 52.306,121.456 54.25,123.4 95.975,123.4 119.575,99.8 136.683,99.8 138.037,98.446 X1.5@138.862,98.446
  Bottom Layer w0.15: U6.4@49.847,118.15 49.847,118.997 52.053,121.203 v1(52.053,121.456)
  Bottom Layer w0.3: R26.1@49.745,115.786 49.745,118.049 U6.4@49.847,118.15
XY04: R28.1 U7.4 X1.7 | length 98.9
  Top Layer w0.15: U7.4@56.134,118.95 56.325,119.141 56.325,122.2 57.2,123.075 95.85,123.075 119.625,99.3 136.683,99.3 138.037,97.946 X1.7@138.862,97.946
  Top Layer w0.3: U7.4@56.134,118.95 56.236,118.849 R28.1@56.236,116.738
XY05: R30.1 U8.4 X1.11 | length 91.9
  Top Layer w0.15: U8.4@63.271,118.95 63.271,121.971 64.091,122.791 95.609,122.791 119.575,98.825 136,98.825 137.804,97.021 138.787,97.021 X1.11@138.862,96.946
  Top Layer w0.3: R30.1@63.17,116.738 63.17,118.849 U8.4@63.271,118.95
XY06: R32.1 U9.4 X1.13 | length 85.1
  Top Layer w0.15: U9.4@69.698,118.882 U9.4@69.765,118.95 69.925,119.11 69.925,121.625 70.825,122.525 95.384,122.525 119.538,98.371 135.746,98.371 137.597,96.521 138.787,96.521 X1.13@138.862,96.446
  Top Layer w0.3: R32.1@69.698,116.738 U9.4@69.698,118.882
XY07: R48.1 U14.4 X1.15 | length 78.5
  Top Layer w0.15: U14.4@76.259,118.95 76.259,121.359 77.15,122.25 95.2,122.25 119.432,98.018 135.393,98.018 137.39,96.021 138.787,96.021 X1.15@138.862,95.946
  Top Layer w0.3: R48.1@76.225,116.738 76.225,118.916 U14.4@76.259,118.95
XY08: R17.1 U1.4 X1.17 | length 71.9
  Top Layer w0.15: U1.4@82.753,118.95 82.753,121.24 83.489,121.975 95.1,121.975 119.411,97.664 135.039,97.664 137.183,95.521 138.787,95.521 X1.17@138.862,95.446
  Top Layer w0.3: R17.1@82.753,116.738 U1.4@82.753,118.95
XY09: R21.1 U3.4 X1.77 | length 71
  Top Layer w0.15: U3.4@89.433,118.075 U3.4@89.433,118.95 89.433,120.939 90.144,121.65 94.941,121.65 136.145,80.446 X1.77@138.862,80.446
  Top Layer w0.3: R21.1@89.332,116.738 89.433,116.84 U3.4@89.433,118.075
XY10: R25.1 U5.4 X1.79 | length 62.2
  Top Layer w0.15: U5.4@95.91,118.95 U5.4@95.91,119.71 ; U5.4@96.075,119.546 96.126,119.495 96.73,119.495 136.279,79.946 X1.79@138.862,79.946
  Top Layer w0.3: R25.1@95.707,116.738 95.707,117.597 95.91,117.8 U5.4@95.91,118.95
XY11: IC6.11 RA11.5 | length 43.6
  Top Layer w0.15: RA11.5@150.55,102.85 151.25,102.85 151.95,103.55 172.05,103.55 176.175,107.675 186.538,107.675 v1(188.788,105.425)
  Bottom Layer w0.15: IC6.11@188.788,102.973 v1(188.788,105.425)
XY12: IC6.12 RA11.6 | length 42.4
  Top Layer w0.15: RA11.6@150.55,102.05 151.025,102.05 152.175,103.2 172.225,103.2 176.3,107.275 185.668,107.275 v1(187.518,105.425)
  Bottom Layer w0.15: IC6.12@187.518,102.973 v1(187.518,105.425)
XY13: IC6.13 RA11.7 | length 41.1
  Top Layer w0.15: RA11.7@150.55,101.25 150.875,101.25 152.5,102.875 172.425,102.875 176.4,106.85 184.823,106.85 v1(186.248,105.425)
  Bottom Layer w0.15: IC6.13@186.248,102.973 v1(186.248,105.425)
XY14: IC6.14 RA11.8 | length 39.7
  Top Layer w0.15: RA11.8@150.55,100.45 152.625,102.525 172.8,102.525 176.625,106.35 184.053,106.35 v1(184.978,105.425)
  Bottom Layer w0.15: IC6.14@184.978,102.973 v1(184.978,105.425)
pads on no net: D19.1 D20.1 D25.2 D26.2 IC8.0 IC26.4 IC26.5 IC26.6 IC26.11 IC26.12 IC26.13 P1. P2. P3.0 P4.0 P5.0 P6.0 P7. P7.5 P8. P9. P10. P11.0 P12.0 P14. P15.0 P16.0 U19. X1. X1.BE1 X1.BE2 X2.X X3.9 X7.

## Polygon pours and split planes (outlines as drawn)
NetC56_2 on Top Layer "Top Layer-NetC56_2" (solid, remove dead copper, pour order 26): 94.361,28.321
NetC164_2 on Top Layer "Top Layer-NetC164_2" (solid, remove dead copper, pour order 20): 30.531,56.007
no net on GND (split plane): 220.622,0.485 0.536,0.485 0.536,149.883 220.622,149.883
no net on Power (split plane): 220.622,0.485 0.536,0.485 0.536,149.883 220.622,149.883

## Keep-outs
Keep-Out Layer:
  lines w0.1: 0.787,0.75 220.243,0.75 220.243,149.631 0.787,149.631 0.787,0.75

## Other copper
Top Layer:
  region: 14.453,15.392

## Silkscreen, mask and mechanical layers (free items; w line width, h text height)
Mechanical 1:
  the board outline again, w0.1